# KiCad board austin.kicad_pcb
title: Austin PCB; date: 2023-11-25; rev: v2.3.0; company: Designed By Gondolindrim; note: In partnership with driftingbunnies and PheonixStarr
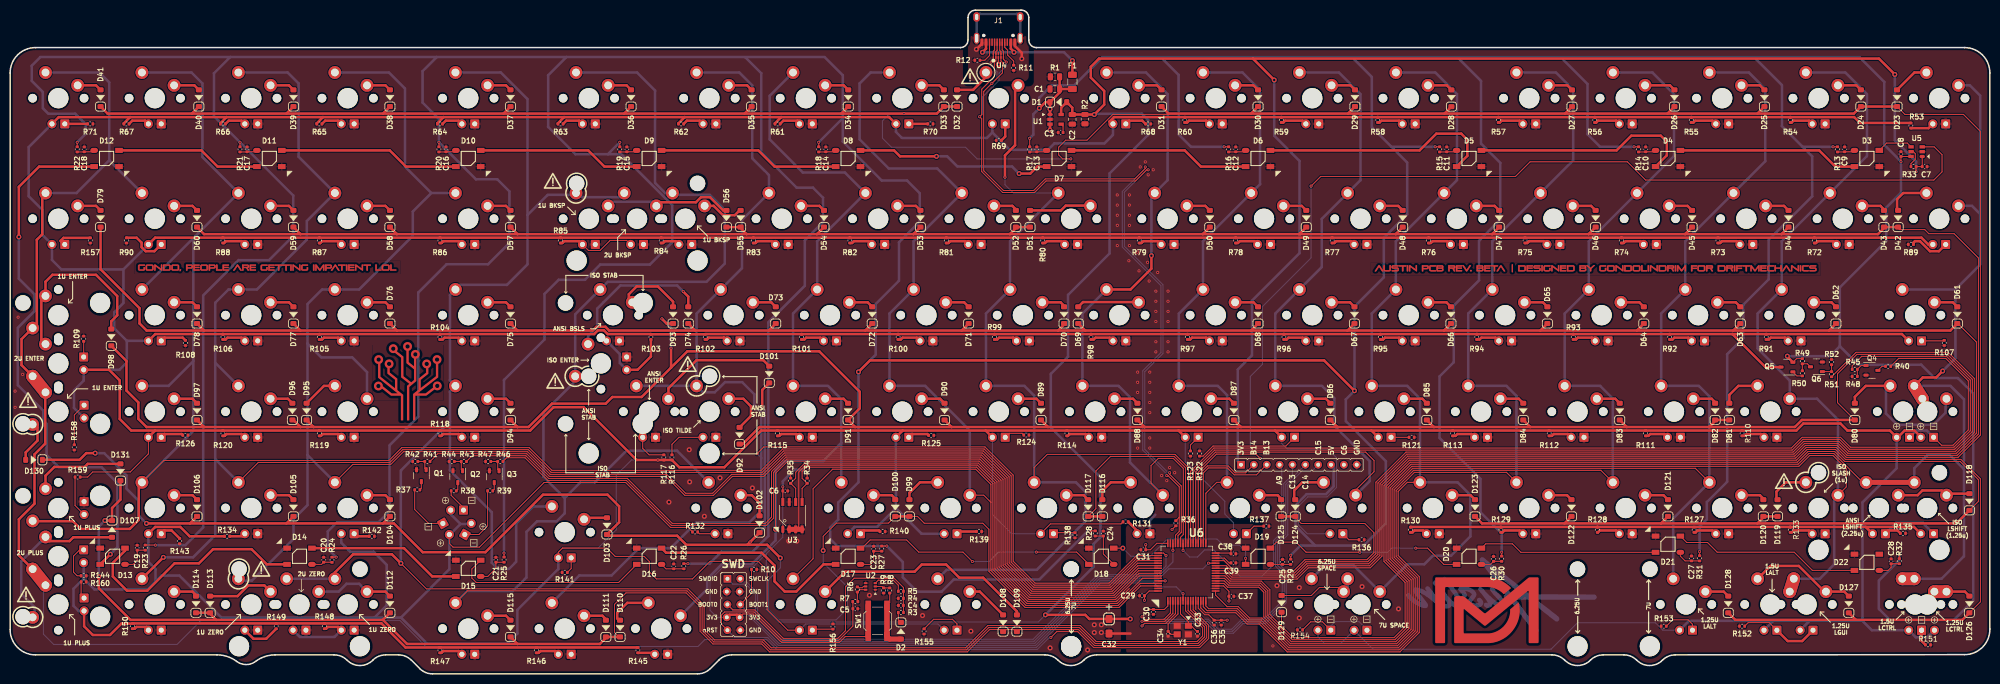
[diagram p0: board, top side]
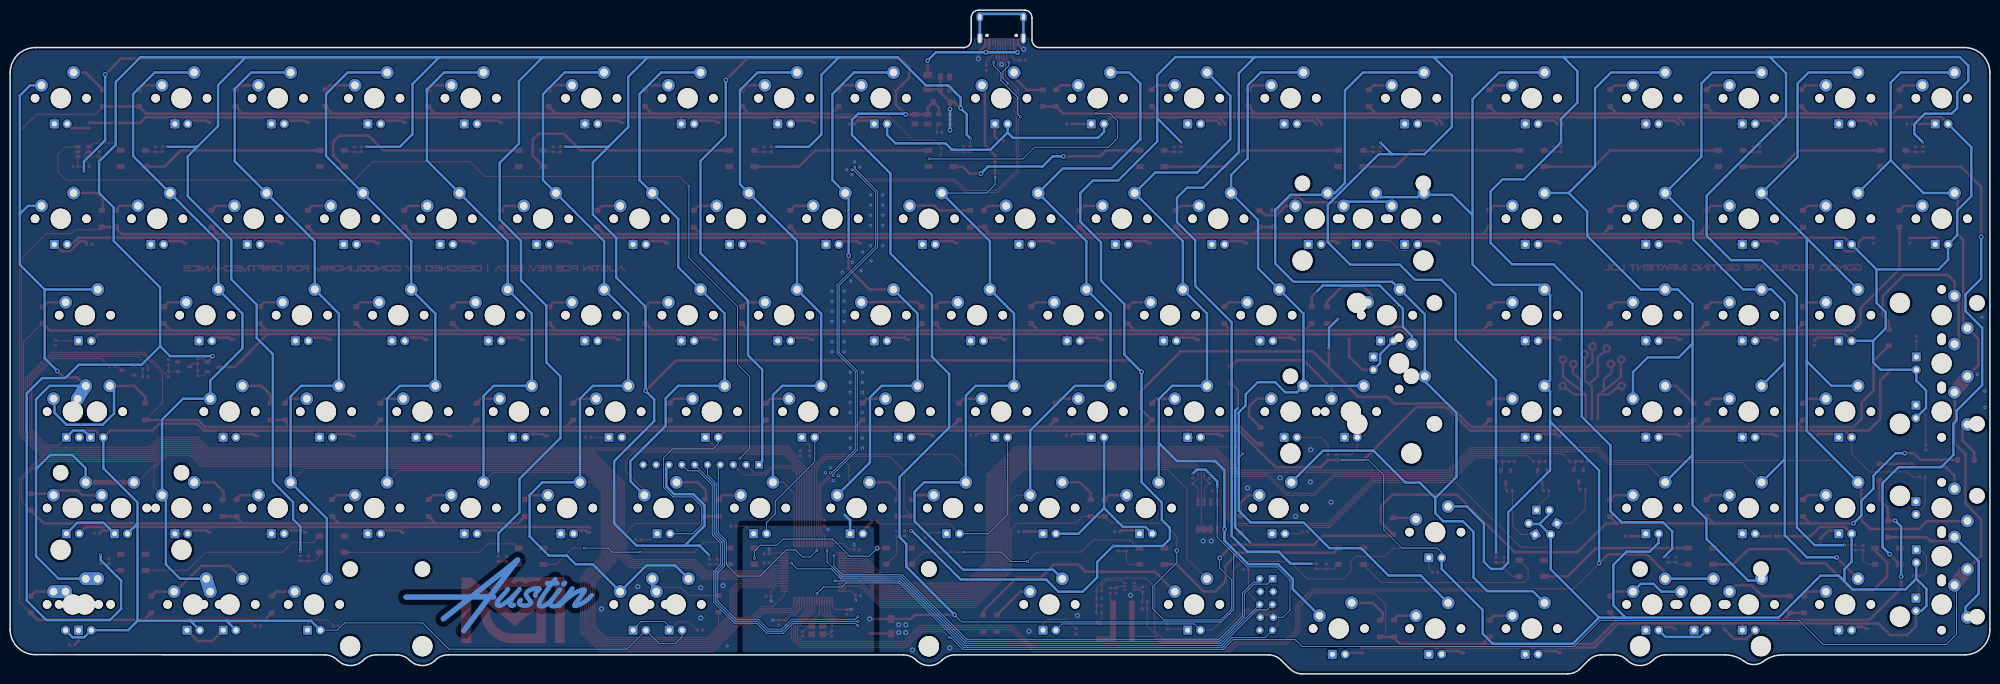
[diagram p1: board, bottom side, seen from below]

Outline 391 x 131.12 mm; copper layers: Top, Bottom. Coordinates in mm from the lower left corner of the outline.
Outline path: 0,118.69 arc(1.48,122.28) 5.08,123.72 187.68,123.72 arc(188.74,124.16) 189.18,125.22 189.18,129.62 arc(189.62,130.68) 190.68,131.12 199.69,131.12 arc(200.75,130.68) 201.19,129.62 201.19,125.22 arc(201.63,124.16) 202.69,123.72 386,123.72 arc(389.54,122.26) 391,118.72 391,8.8 arc(389.54,5.26) 386,3.8 328.88,3.76 arc(327.5,3.48) 326.34,2.7 arc(323.8,1.65) 321.26,2.7 arc(320.09,3.48) 318.72,3.76 314.66,3.76 arc(313.28,3.48) 312.12,2.7 arc(309.58,1.65) 307.04,2.7 arc(305.87,3.48) 304.5,3.76 214.58,3.76 arc(213.2,3.48) 212.04,2.7 arc(209.5,1.65) 206.96,2.7 arc(205.79,3.48) 204.42,3.76 142.49,3.76 arc(141.12,3.48) 139.95,2.7 138.3,1.05 arc(137.14,0.27) 135.76,0 83.44,0 arc(82.06,0.27) 80.9,1.05 79.25,2.7 arc(78.08,3.48) 76.71,3.76 74.17,3.76 arc(72.79,3.48) 71.63,2.7 arc(69.09,1.65) 66.55,2.7 arc(65.38,3.48) 64.01,3.76 52.33,3.76 arc(50.32,3.43) 48.51,2.49 arc(46.61,1.84) 44.7,2.49 arc(42.9,3.43) 40.89,3.76 5,3.75 arc(1.46,5.22) 0,8.75 0,118.69
Stack: Top 0.035mm / dielectric 1.51mm FR4 er 4.5 / Bottom 0.035mm

## Placement (name value [footprint] x y rotation side)
C1  1u  [C_0805_2012Metric]  206.32 115.55 0 top
C2  1u  [C_0805_2012Metric]  209.77 109.55 270 top
C3  10n  [C_0402_1005Metric]  207.47 106.95 0 top
C4  10u  [C_0402_1005Metric]  175.92 13.52 180 top
C5  100n  [C_0402_1005Metric]  166.92 12.87 0 top
C6  100n  [C_0402_1005Metric]  153.08 36.15 180 top
C7  100n  [C_0402_1005Metric]  378.12 100.21 0 top
C8  100n  [C_0402_1005Metric]  373.44 102.69 90 top
C9  100n  [C_0402_1005Metric]  362.31 103.62 270 top
C10  100n  [C_0402_1005Metric]  323.02 103.62 270 top
C11  100n  [C_0402_1005Metric]  283.73 103.62 270 top
C12  100n  [C_0402_1005Metric]  242.06 103.62 270 top
C13  100n  [C_0402_1005Metric]  202.77 103.62 270 top
C14  100n  [C_0402_1005Metric]  161.1 103.62 270 top
C15  100n  [C_0402_1005Metric]  121.81 103.62 270 top
C16  100n  [C_0402_1005Metric]  86.09 103.62 270 top
C17  100n  [C_0402_1005Metric]  46.8 103.62 270 top
C18  100n  [C_0402_1005Metric]  14.65 103.62 270 top
C19  100n  [C_0402_1005Metric]  25.09 24.92 270 top
C20  100n  [C_0402_1005Metric]  61.93 22.54 270 top
C21  100n  [C_0402_1005Metric]  95.94 22.53 270 top
C22  100n  [C_0402_1005Metric]  131.06 21.24 270 top
C23  100n  [C_0402_1005Metric]  170.55 24.72 270 top
C24  100n  [C_0402_1005Metric]  215.91 27.72 270 top
C25  100n  [C_0402_1005Metric]  251.31 22.12 270 top
C26  100n  [C_0402_1005Metric]  292.98 22.72 270 top
C27  100n  [C_0402_1005Metric]  332.07 22.8 270 top
C28  100n  [C_0402_1005Metric]  371.49 22.24 270 top
C29  100n  [C_0402_1005Metric]  223.55 15.44 0 top
C30  100n  [C_0402_1005Metric]  225.8 12.24 270 top
C31  100n  [C_0402_1005Metric]  223.8 24.52 180 top
C32  10u  [CP_EIA-3216-10_Kemet-I_Pad1.58x1.35mm_HandSolder]  217.03 9.41 270 top
C33  15p  [C_0402_1005Metric]  234.5 7.91 270 top
C34  15p  [C_0402_1005Metric]  228.7 7.91 270 top
C35  4.7u  [C_0402_1005Metric]  239.2 10.12 90 top
C36  10n  [C_0402_1005Metric]  237.8 10.12 90 top
C37  100n  [C_0402_1005Metric]  241.2 15.32 180 top
C38  100n  [C_0402_1005Metric]  241.6 23.72 0 top
C39  4.7u  [C_0402_1005Metric]  241.6 21.92 180 top
D1  B5819W-SL  [D_SOD-123]  207.02 112.95 0 top
D2  1N4148W  [D_SOD-123]  175.92 8.52 270 top
D3  XL-5050RGBC-WS2812B  [LED_WS2812B_5.0x5.0mm_P3.2mm]  366.71 101.82 0 top
D4  XL-5050RGBC-WS2812B  [LED_WS2812B_5.0x5.0mm_P3.2mm]  327.42 101.82 0 top
D5  XL-5050RGBC-WS2812B  [LED_WS2812B_5.0x5.0mm_P3.2mm]  288.13 101.82 0 top
D6  XL-5050RGBC-WS2812B  [LED_WS2812B_5.0x5.0mm_P3.2mm]  246.46 101.82 0 top
D7  XL-5050RGBC-WS2812B  [LED_WS2812B_5.0x5.0mm_P3.2mm]  207.17 101.82 0 top
D8  XL-5050RGBC-WS2812B  [LED_WS2812B_5.0x5.0mm_P3.2mm]  165.5 101.82 0 top
D9  XL-5050RGBC-WS2812B  [LED_WS2812B_5.0x5.0mm_P3.2mm]  126.21 101.82 0 top
D10  XL-5050RGBC-WS2812B  [LED_WS2812B_5.0x5.0mm_P3.2mm]  90.49 101.82 0 top
D11  XL-5050RGBC-WS2812B  [LED_WS2812B_5.0x5.0mm_P3.2mm]  51.2 101.82 0 top
D12  XL-5050RGBC-WS2812B  [LED_WS2812B_5.0x5.0mm_P3.2mm]  19.05 101.82 0 top
D13  XL-5050RGBC-WS2812B  [LED_WS2812B_5.0x5.0mm_P3.2mm]  20.24 23.24 180 top
D14  XL-5050RGBC-WS2812B  [LED_WS2812B_5.0x5.0mm_P3.2mm]  57.15 23.24 180 top
D15  XL-5050RGBC-WS2812B  [LED_WS2812B_5.0x5.0mm_P3.2mm]  90.49 20.85 180 top
D16  XL-5050RGBC-WS2812B  [LED_WS2812B_5.0x5.0mm_P3.2mm]  126.21 23.24 180 top
D17  XL-5050RGBC-WS2812B  [LED_WS2812B_5.0x5.0mm_P3.2mm]  165.5 23.24 180 top
D18  XL-5050RGBC-WS2812B  [LED_WS2812B_5.0x5.0mm_P3.2mm]  215.5 23.24 180 top
D19  XL-5050RGBC-WS2812B  [LED_WS2812B_5.0x5.0mm_P3.2mm]  246.46 23.24 180 top
D20  XL-5050RGBC-WS2812B  [LED_WS2812B_5.0x5.0mm_P3.2mm]  288.13 23.24 180 top
D21  XL-5050RGBC-WS2812B  [LED_WS2812B_5.0x5.0mm_P3.2mm]  327.42 25.62 180 top
D22  XL-5050RGBC-WS2812B  [LED_WS2812B_5.0x5.0mm_P3.2mm]  366.71 22.04 180 top
D23  1N4148W  [D_SOD-123]  372.67 113.72 90 top
D24  1N4148W  [D_SOD-123]  365.52 113.72 90 top
D25  1N4148W  [D_SOD-123]  346.47 113.72 90 top
D26  1N4148W  [D_SOD-123]  328.71 113.72 90 top
D27  1N4148W  [D_SOD-123]  308.47 113.71 90 top
D28  1N4148W  [D_SOD-123]  284.65 113.71 90 top
D29  1N4148W  [D_SOD-123]  265.6 113.72 90 top
D30  1N4148W  [D_SOD-123]  246.46 113.72 90 top
D31  1N4148W  [D_SOD-123]  227.41 113.72 90 top
D32  1N4148W  [D_SOD-123]  187.01 113.72 90 top
D33  1N4148W  [D_SOD-123]  184.41 113.72 90 top
D34  1N4148W  [D_SOD-123]  165.52 113.72 90 top
D35  1N4148W  [D_SOD-123]  146.45 113.72 90 top
D36  1N4148W  [D_SOD-123]  122.63 113.72 90 top
D37  1N4148W  [D_SOD-123]  98.82 113.72 90 top
D38  1N4148W  [D_SOD-123]  75.01 113.72 90 top
D39  1N4148W  [D_SOD-123]  55.96 113.72 90 top
D40  1N4148W  [D_SOD-123]  37.27 113.72 90 top
D41  1N4148W  [D_SOD-123]  17.86 113.72 90 top
D42  1N4148W  [D_SOD-123]  372.87 89.91 90 top
D43  1N4148W  [D_SOD-123]  370.07 89.91 90 top
D44  1N4148W  [D_SOD-123]  351.23 89.91 90 top
D45  1N4148W  [D_SOD-123]  332.18 89.91 90 top
D46  1N4148W  [D_SOD-123]  313.13 89.91 90 top
D47  1N4148W  [D_SOD-123]  294.08 89.91 90 top
D48  1N4148W  [D_SOD-123]  275.03 89.91 90 top
D49  1N4148W  [D_SOD-123]  255.98 89.91 90 top
D50  1N4148W  [D_SOD-123]  236.93 89.91 90 top
D51  1N4148W  [D_SOD-123]  201.42 89.91 90 top
D52  1N4148W  [D_SOD-123]  198.62 89.91 90 top
D53  1N4148W  [D_SOD-123]  179.78 89.91 90 top
D54  1N4148W  [D_SOD-123]  160.73 89.91 90 top
D55  1N4148W  [D_SOD-123]  144.27 89.91 90 top
D56  1N4148W  [D_SOD-123]  141.47 89.91 90 top
D57  1N4148W  [D_SOD-123]  98.82 89.91 90 top
D58  1N4148W  [D_SOD-123]  75.01 89.91 90 top
D59  1N4148W  [D_SOD-123]  55.96 89.91 90 top
D60  1N4148W  [D_SOD-123]  36.91 89.91 90 top
D61  1N4148W  [D_SOD-123]  384.57 70.86 90 top
D62  1N4148W  [D_SOD-123]  360.6 70.86 90 top
D63  1N4148W  [D_SOD-123]  341.71 70.86 90 top
D64  1N4148W  [D_SOD-123]  322.66 70.86 90 top
D65  1N4148W  [D_SOD-123]  303.61 70.86 90 top
D66  1N4148W  [D_SOD-123]  284.56 70.86 90 top
D67  1N4148W  [D_SOD-123]  265.51 70.86 90 top
D68  1N4148W  [D_SOD-123]  246.46 70.86 90 top
D69  1N4148W  [D_SOD-123]  210.95 70.86 90 top
D70  1N4148W  [D_SOD-123]  208.15 70.86 90 top
D71  1N4148W  [D_SOD-123]  189.31 70.86 90 top
D72  1N4148W  [D_SOD-123]  170.26 70.86 90 top
D73  1N4148W  [D_SOD-123]  151.21 70.86 90 top
D74  1N4148W  [D_SOD-123]  133.93 70.86 90 top
D75  1N4148W  [D_SOD-123]  98.82 70.86 90 top
D76  1N4148W  [D_SOD-123]  75.01 70.86 90 top
D77  1N4148W  [D_SOD-123]  55.96 70.86 90 top
D78  1N4148W  [D_SOD-123]  36.91 70.86 90 top
D79  1N4148W  [D_SOD-123]  17.86 89.91 90 top
D80  1N4148W  [D_SOD-123]  364.33 51.81 90 top
D81  1N4148W  [D_SOD-123]  339.54 51.81 90 top
D82  1N4148W  [D_SOD-123]  336.74 51.81 90 top
D83  1N4148W  [D_SOD-123]  317.9 51.81 90 top
D84  1N4148W  [D_SOD-123]  298.85 51.81 90 top
D85  1N4148W  [D_SOD-123]  279.8 51.81 90 top
D86  1N4148W  [D_SOD-123]  260.75 51.81 90 top
D87  1N4148W  [D_SOD-123]  241.7 51.81 90 top
D88  1N4148W  [D_SOD-123]  222.65 51.81 90 top
D89  1N4148W  [D_SOD-123]  203.6 51.81 90 top
D90  1N4148W  [D_SOD-123]  184.55 51.81 90 top
D91  1N4148W  [D_SOD-123]  165.5 51.81 90 top
D92  1N4148W  [D_SOD-123]  144.07 47.05 90 top
D93  1N4148W  [D_SOD-123]  130.93 70.86 90 top
D94  1N4148W  [D_SOD-123]  98.82 51.81 90 top
D95  1N4148W  [D_SOD-123]  58.55 51.81 90 top
D96  1N4148W  [D_SOD-123]  55.75 51.81 90 top
D97  1N4148W  [D_SOD-123]  36.91 51.81 90 top
D98  1N4148W  [D_SOD-123]  19.97 66.46 90 top
D99  1N4148W  [D_SOD-123]  177.61 32.76 90 top
D100  1N4148W  [D_SOD-123]  174.81 32.76 90 top
D101  1N4148W  [D_SOD-123]  149.93 59.14 90 top
D102  1N4148W  [D_SOD-123]  148.01 29.56 90 top
D103  1N4148W  [D_SOD-123]  117.87 29.19 90 top
D104  1N4148W  [D_SOD-123]  75.01 32.76 90 top
D105  1N4148W  [D_SOD-123]  55.96 32.76 90 top
D106  1N4148W  [D_SOD-123]  36.91 32.76 90 top
D107  1N4148W  [D_SOD-123]  20.12 28.64 270 top
D108  1N4148W  [D_SOD-123]  196.11 10 90 top
D109  1N4148W  [D_SOD-123]  198.84 10 90 top
D110  1N4148W  [D_SOD-123]  120.46 8.95 90 top
D111  1N4148W  [D_SOD-123]  117.66 8.95 90 top
D112  1N4148W  [D_SOD-123]  75.01 13.71 90 top
D113  1N4148W  [D_SOD-123]  39.5 13.71 90 top
D114  1N4148W  [D_SOD-123]  36.7 13.71 90 top
D115  1N4148W  [D_SOD-123]  98.82 8.95 90 top
D116  1N4148W  [D_SOD-123]  215.71 32.76 90 top
D117  1N4148W  [D_SOD-123]  212.91 32.76 90 top
D118  1N4148W  [D_SOD-123]  386.95 33.95 90 top
D119  1N4148W  [D_SOD-123]  349.06 32.76 90 top
D120  1N4148W  [D_SOD-123]  346.26 32.76 90 top
D121  1N4148W  [D_SOD-123]  327.42 32.76 90 top
D122  1N4148W  [D_SOD-123]  308.37 32.76 90 top
D123  1N4148W  [D_SOD-123]  289.32 32.76 90 top
D124  1N4148W  [D_SOD-123]  253.81 32.76 90 top
D125  1N4148W  [D_SOD-123]  251.01 32.76 90 top
D126  1N4148W  [D_SOD-123]  386.95 13.71 90 top
D127  1N4148W  [D_SOD-123]  363.14 13.71 90 top
D128  1N4148W  [D_SOD-123]  339.33 13.71 90 top
D129  1N4148W  [D_SOD-123]  251.1 13.84 90 top
D130  1N4148W  [D_SOD-123]  4.72 42.29 180 top
D131  1N4148W  [D_SOD-123]  21.79 39.84 90 top
F1  nSMD100-16V  [Fuse_1206_3216Metric]  209.8 116.95 90 top
GR1  Warning sign  [warning_sign_3.6x3.2mm]  107.19 97.4 0 top
GR2  Drift Mechanics Logo  [driftmechanics_logo]  291.31 11.26 0 top
GR3  Warning sign  [warning_sign_3.6x3.2mm]  107.66 57.91 0 top
GR3#2  Warning sign  [warning_sign_3.6x3.2mm]  3.14 15.7 0 top
GR3#3  Warning sign  [warning_sign_3.6x3.2mm]  189.58 118.07 0 top
GR3#4  Warning sign  [warning_sign_3.6x3.2mm]  3.54 54.1 0 top
GR4  Gondolindrim Logo  [gondolindrim_circuit-tree_50x15mm]  78.6 56.97 0 top
GR5  Warning sign  [warning_sign_3.6x3.2mm]  350.33 38.09 0 top
GR6  AustinLogoPlated  [austin_logo_16x40_plated]  294.51 15.52 180 bottom
GR7  Warning sign  [warning_sign_3.6x3.2mm]  133.83 61.21 0 top
GR8  AustinLabel  [austin_label]  309.86 79.93 0 top
GR9  Austin Joke  [austin_joke]  48.52 80.2 0 top
GR10  Warning sign  [Warning_Sign_3.6x3.2mm]  49.6 20.77 0 top
J1  TYPE-C-31-M-12  [USB_C_Receptacle_Hroparts_TYPE-C-31-M-12]  195.18 124.07 180 top
LED1  LED  [LED_THT_2.54mm]  378.62 46.74 0 top
LED2  LED  [LED_THT_2.54mm]  373.86 46.74 0 top
LED3  LED  [LED_THT_2.54mm]  219.07 108.65 0 top
LED4  LED  [LED_THT_2.54mm]  195.26 108.65 0 top
LED5  LED  [LED_THT_2.54mm]  176.21 108.65 0 top
LED6  LED  [LED_THT_2.54mm]  9.52 108.65 0 top
LED7  LED  [LED_THT_2.54mm]  381 108.65 0 top
LED8  LED  [LED_THT_2.54mm]  357.19 108.65 0 top
LED9  LED  [LED_THT_2.54mm]  338.14 108.65 0 top
LED10  LED  [LED_THT_2.54mm]  319.09 108.65 0 top
LED11  LED  [LED_THT_2.54mm]  300.04 108.65 0 top
LED12  LED  [LED_THT_2.54mm]  276.22 108.65 0 top
LED13  LED  [LED_THT_2.54mm]  257.17 108.65 0 top
LED14  LED  [LED_THT_2.54mm]  238.12 108.65 0 top
LED15  LED  [LED_THT_2.54mm]  157.16 108.65 0 top
LED16  LED  [LED_THT_2.54mm]  138.11 108.65 0 top
LED17  LED  [LED_THT_2.54mm]  114.3 108.65 0 top
LED18  LED  [LED_THT_2.54mm]  90.49 108.65 0 top
LED19  LED  [LED_THT_2.54mm]  66.67 108.65 0 top
LED20  LED  [LED_THT_2.54mm]  47.62 108.65 0 top
LED21  LED  [LED_THT_2.54mm]  28.57 108.65 0 top
LED22  LED  [LED_THT_2.54mm]  381 84.84 0 top
LED23  LED  [LED_THT_2.54mm]  28.57 84.84 0 top
LED24  LED  [LED_THT_2.54mm]  361.95 84.84 0 top
LED25  LED  [LED_THT_2.54mm]  342.9 84.84 0 top
LED26  LED  [LED_THT_2.54mm]  323.85 84.84 0 top
LED27  LED  [LED_THT_2.54mm]  304.8 84.84 0 top
LED28  LED  [LED_THT_2.54mm]  285.75 84.84 0 top
LED29  LED  [LED_THT_2.54mm]  266.7 84.84 0 top
LED30  LED  [LED_THT_2.54mm]  247.65 84.84 0 top
LED31  LED  [LED_THT_2.54mm]  228.6 84.84 0 top
LED32  LED  [LED_THT_2.54mm]  209.55 84.84 0 top
LED33  LED  [LED_THT_2.54mm]  190.5 84.84 0 top
LED34  LED  [LED_THT_2.54mm]  171.45 84.84 0 top
LED35  LED  [LED_THT_2.54mm]  152.4 84.84 0 top
LED36  LED  [LED_THT_2.54mm]  133.35 84.84 0 top
LED37  LED  [LED_THT_2.54mm]  114.3 84.84 0 top
LED38  LED  [LED_THT_2.54mm]  123.82 84.84 0 top
LED39  LED  [LED_THT_2.54mm]  90.49 84.84 0 top
LED40  LED  [LED_THT_2.54mm]  66.67 84.84 0 top
LED41  LED  [LED_THT_2.54mm]  47.62 84.84 0 top
LED42  LED  [LED_THT_2.54mm]  376.24 65.79 0 top
LED43  LED  [LED_THT_2.54mm]  28.57 65.79 0 top
LED44  LED  [LED_THT_2.54mm]  14.52 61.34 90 top
LED45  LED  [LED_THT_2.54mm]  352.42 65.79 0 top
LED46  LED  [LED_THT_2.54mm]  333.37 65.79 0 top
LED47  LED  [LED_THT_2.54mm]  314.32 65.79 0 top
LED48  LED  [LED_THT_2.54mm]  295.27 65.79 0 top
LED49  LED  [LED_THT_2.54mm]  276.22 65.79 0 top
LED50  LED  [LED_THT_2.54mm]  257.17 65.79 0 top
LED51  LED  [LED_THT_2.54mm]  238.12 65.79 0 top
LED52  LED  [LED_THT_2.54mm]  219.07 65.79 0 top
LED53  LED  [LED_THT_2.54mm]  200.02 65.79 0 top
LED54  LED  [LED_THT_2.54mm]  180.97 65.79 0 top
LED55  LED  [LED_THT_2.54mm]  161.92 65.79 0 top
LED56  LED  [LED_THT_2.54mm]  142.87 65.79 0 top
LED57  LED  [LED_THT_2.54mm]  119.06 65.79 0 top
LED58  LED  [LED_THT_2.54mm]  121.76 61.34 90 top
LED59  LED  [LED_THT_2.54mm]  90.49 65.79 0 top
LED60  LED  [LED_THT_2.54mm]  66.67 65.79 0 top
LED61  LED  [LED_THT_2.54mm]  47.62 65.79 0 top
LED62  LED  [LED_THT_2.54mm]  271.46 46.74 0 top
LED63  LED  [LED_THT_2.54mm]  252.41 46.74 0 top
LED64  LED  [LED_THT_2.54mm]  233.36 46.74 0 top
LED65  LED  [LED_THT_2.54mm]  195.26 46.74 0 top
LED66  LED  [LED_THT_2.54mm]  176.21 46.74 0 top
LED67  LED  [LED_THT_2.54mm]  28.57 46.74 0 top
LED68  LED  [LED_THT_2.54mm]  347.66 46.74 0 top
LED69  LED  [LED_THT_2.54mm]  328.61 46.74 0 top
LED70  LED  [LED_THT_2.54mm]  309.56 46.74 0 top
LED71  LED  [LED_THT_2.54mm]  290.51 46.74 0 top
LED72  LED  [LED_THT_2.54mm]  214.31 46.74 0 top
LED73  LED  [LED_THT_2.54mm]  157.16 46.74 0 top
LED74  LED  [LED_THT_2.54mm]  138.11 46.73 0 top
LED75  LED  [LED_THT_2.54mm]  126.21 46.74 0 top
LED76  LED  [LED_THT_2.54mm]  90.49 46.74 0 top
LED77  LED  [LED_THT_2.54mm]  66.67 46.74 0 top
LED78  LED  [LED_THT_2.54mm]  47.62 46.74 0 top
LED79  LED  [LED_THT_2.54mm]  378.61 27.69 0 top
LED80  LED  [LED_THT_2.54mm]  369.09 27.69 0 top
LED81  LED  [LED_THT_2.54mm]  261.94 27.69 0 top
LED82  LED  [LED_THT_2.54mm]  242.89 27.69 0 top
LED83  LED  [LED_THT_2.54mm]  204.79 27.69 0 top
LED84  LED  [LED_THT_2.54mm]  185.74 27.69 0 top
LED85  LED  [LED_THT_2.54mm]  166.69 27.69 0 top
LED86  LED  [LED_THT_2.54mm]  109.54 22.92 0 top
LED87  LED  [LED_THT_2.54mm]  66.67 27.69 0 top
LED88  LED  [LED_THT_2.54mm]  28.57 27.69 0 top
LED89  LED  [LED_THT_2.54mm]  14.52 23.24 90 top
LED90  LED  [LED_THT_2.54mm]  338.14 27.69 0 top
LED91  LED  [LED_THT_2.54mm]  319.09 27.69 0 top
LED92  LED  [LED_THT_2.54mm]  300.04 27.69 0 top
LED93  LED  [LED_THT_2.54mm]  280.99 27.69 0 top
LED94  LED  [LED_THT_2.54mm]  223.84 27.69 0 top
LED95  LED  [LED_THT_2.54mm]  140.49 27.69 0 top
LED96  LED  [LED_THT_2.54mm]  357.19 27.68 0 top
LED97  LED  [LED_THT_2.54mm]  47.62 27.69 0 top
LED98  LED  [LED_THT_2.54mm]  376.24 8.62 0 top
LED99  LED  [LED_THT_2.54mm]  378.78 8.62 180 top
LED100  LED  [LED_THT_2.54mm]  347.66 8.62 0 top
LED101  LED  [LED_THT_2.54mm]  354.8 8.62 0 top
LED102  LED  [LED_THT_2.54mm]  330.99 8.64 0 top
LED103  LED  [LED_THT_2.54mm]  259.56 8.64 0 top
LED104  LED  [LED_THT_2.54mm]  266.7 8.62 0 top
LED105  LED  [LED_THT_2.54mm]  185.74 8.64 0 top
LED106  LED  [LED_THT_2.54mm]  157.16 8.64 0 top
LED107  LED  [LED_THT_2.54mm]  9.52 84.84 0 top
LED108  LED  [LED_THT_2.54mm]  128.59 3.87 0 top
LED109  LED  [LED_THT_2.54mm]  109.54 3.87 0 top
LED110  LED  [LED_THT_2.54mm]  90.49 3.87 0 top
LED111  LED  [LED_THT_2.54mm]  57.15 8.64 0 top
LED112  LED  [LED_THT_2.54mm]  66.67 8.64 0 top
LED113  LED  [LED_THT_2.54mm]  47.62 8.64 0 top
LED114  LED  [LED_THT_2.54mm]  28.57 8.64 0 top
LED115  LED  [LED_THT_2.54mm]  14.6 51.81 90 top
LED116  LED  [LED_THT_2.54mm]  14.6 32.76 90 top
LED117  LED  [LED_THT_2.54mm]  14.6 13.71 90 top
LEDCAPS1  LED  [LED_THT_2.54mm]  88.27 32.35 0 top
LEDNUM1  LED  [LED_THT_2.54mm]  86.11 28.63 120 top
LEDSCR1  LED  [LED_THT_2.54mm]  90.44 28.63 240 top
Q1  2N7002  [SOT-23]  81.21 39.16 270 top
Q2  2N7002  [SOT-23]  88.41 38.96 270 top
Q3  2N7002  [SOT-23]  95.61 38.96 270 top
Q4  2N7002  [SOT-23]  367.71 59.96 0 top
Q5  AO3401A  [SOT-23]  350.92 60.61 180 top
Q6  2N7002  [SOT-23]  356.74 60.66 180 top
R1  100k  [R_0805_2012Metric]  206.36 117.95 0 top
R2  100k  [R_0805_2012Metric]  212.27 109.59 270 top
R3  330k  [R_0402_1005Metric]  175.92 12.12 180 top
R4  1M  [R_0402_1005Metric]  175.92 14.92 180 top
R5  10k  [R_0402_1005Metric]  175.92 16.32 0 top
R6  100R  [R_0402_1005Metric]  167.32 16.67 270 top
R7  100R  [R_0402_1005Metric]  166.92 14.27 180 top
R8  100R  [R_0402_1005Metric]  173.72 16.47 270 top
R9  10k  [R_0402_1005Metric]  172.52 16.47 90 top
R10  10k  [R_0402_1005Metric]  146.94 20.64 0 top
R11  5.1k  [R_0402_1005Metric]  198.2 119.72 90 top
R12  5.1k  [R_0402_1005Metric]  191.03 121.22 0 top
R13  5.1R  [R_0402_1005Metric]  360.91 103.62 90 top
R14  5.1R  [R_0402_1005Metric]  321.62 103.62 90 top
R15  5.1R  [R_0402_1005Metric]  282.33 103.62 90 top
R16  5.1R  [R_0402_1005Metric]  240.66 103.62 90 top
R17  5.1R  [R_0402_1005Metric]  201.37 103.62 90 top
R18  5.1R  [R_0402_1005Metric]  159.7 103.62 90 top
R19  5.1R  [R_0402_1005Metric]  120.41 103.62 90 top
R20  5.1R  [R_0402_1005Metric]  84.69 103.62 90 top
R21  5.1R  [R_0402_1005Metric]  45.4 103.62 90 top
R22  5.1R  [R_0402_1005Metric]  13.25 103.62 90 top
R23  5.1R  [R_0402_1005Metric]  26.69 24.95 90 top
R24  5.1R  [R_0402_1005Metric]  63.57 22.54 90 top
R25  5.1R  [R_0402_1005Metric]  97.55 22.56 90 top
R26  5.1R  [R_0402_1005Metric]  133.06 21.27 90 top
R27  5.1R  [R_0402_1005Metric]  172.15 24.75 90 top
R28  5.1R  [R_0402_1005Metric]  214.31 27.75 90 top
R29  5.1R  [R_0402_1005Metric]  252.91 22.15 90 top
R30  5.1R  [R_0402_1005Metric]  294.58 22.75 90 top
R31  5.1R  [R_0402_1005Metric]  333.67 22.83 90 top
R32  5.1R  [R_0402_1005Metric]  373.11 22.27 90 top
R33  10k  [R_0402_1005Metric]  375.92 100.21 0 top
R34  4.7k  [R_0402_1005Metric]  157.41 38.16 270 top
R35  4.7k  [R_0402_1005Metric]  154.14 38.16 270 top
R36  1.5k  [R_0402_1005Metric]  230.24 29.75 270 top
R37  1k  [R_0402_1005Metric]  80.41 36.36 0 top
R38  1k  [R_0402_1005Metric]  87.61 36.16 180 top
R39  1k  [R_0402_1005Metric]  94.81 36.16 180 top
R40  1k  [R_0402_1005Metric]  370.91 60.76 0 top
R41  100  [R_0402_1005Metric]  82.41 41.96 180 top
R42  10k  [R_0402_1005Metric]  80.01 41.96 0 top
R43  100  [R_0402_1005Metric]  89.61 41.96 180 top
R44  10k  [R_0402_1005Metric]  87.21 41.96 0 top
R45  100  [R_0402_1005Metric]  364.31 60.16 0 top
R46  100  [R_0402_1005Metric]  96.81 41.96 180 top
R47  10k  [R_0402_1005Metric]  94.41 41.96 0 top
R48  10k  [R_0402_1005Metric]  364.31 58.76 0 top
R49  10k  [R_0402_1005Metric]  353.96 61.77 90 top
R50  100  [R_0402_1005Metric]  353.96 59.37 270 top
R51  100  [R_0402_1005Metric]  359.74 59.2 90 top
R52  10k  [R_0402_1005Metric]  359.74 61.6 270 top
R53  1k  [R_0402_1005Metric]  375.4 108.32 270 top
R54  1k  [R_0402_1005Metric]  351.59 109.44 270 top
R55  1k  [R_0402_1005Metric]  332.03 109.44 270 top
R56  1k  [R_0402_1005Metric]  312.98 109.44 270 top
R57  1k  [R_0402_1005Metric]  293.93 109.44 270 top
R58  1k  [R_0402_1005Metric]  270.11 109.44 270 top
R59  1k  [R_0402_1005Metric]  251.06 109.44 270 top
R60  1k  [R_0402_1005Metric]  232.01 109.44 270 top
R61  1k  [R_0402_1005Metric]  151.56 108.64 0 top
R62  1k  [R_0402_1005Metric]  132.51 108.64 0 top
R63  1k  [R_0402_1005Metric]  108.7 108.64 0 top
R64  1k  [R_0402_1005Metric]  84.89 108.64 0 top
R65  1k  [R_0402_1005Metric]  61.07 108.64 0 top
R66  1k  [R_0402_1005Metric]  42.02 108.64 0 top
R67  1k  [R_0402_1005Metric]  22.97 108.64 0 top
R68  1k  [R_0402_1005Metric]  224.76 108.64 0 top
R69  1k  [R_0402_1005Metric]  195.26 105.39 180 top
R70  1k  [R_0402_1005Metric]  181.76 108.65 0 top
R71  1k  [R_0402_1005Metric]  15.83 108.65 0 top
R72  1k  [R_0402_1005Metric]  356.35 85.62 90 top
R73  1k  [R_0402_1005Metric]  337.3 85.62 90 top
R74  1k  [R_0402_1005Metric]  318.25 85.62 90 top
R75  1k  [R_0402_1005Metric]  299.2 85.62 90 top
R76  1k  [R_0402_1005Metric]  280.15 85.62 90 top
R77  1k  [R_0402_1005Metric]  261.1 85.62 90 top
R78  1k  [R_0402_1005Metric]  242.05 85.62 90 top
R79  1k  [R_0402_1005Metric]  223 85.62 90 top
R80  1k  [R_0402_1005Metric]  203.95 85.62 90 top
R81  1k  [R_0402_1005Metric]  184.9 85.62 90 top
R82  1k  [R_0402_1005Metric]  165.85 85.62 90 top
R83  1k  [R_0402_1005Metric]  146.8 85.62 90 top
R84  1k  [R_0402_1005Metric]  128.59 85.62 270 top
R85  1k  [R_0402_1005Metric]  108.7 85.62 270 top
R86  1k  [R_0402_1005Metric]  84.89 85.62 270 top
R87  1k  [R_0402_1005Metric]  61.07 85.62 270 top
R88  1k  [R_0402_1005Metric]  42.02 85.62 270 top
R89  1k  [R_0402_1005Metric]  375.4 84.83 180 top
R90  1k  [R_0402_1005Metric]  22.97 85.62 270 top
R91  1k  [R_0402_1005Metric]  346.82 66.57 270 top
R92  1k  [R_0402_1005Metric]  327.77 66.57 270 top
R93  1k  [R_0402_1005Metric]  308.72 66.57 270 top
R94  1k  [R_0402_1005Metric]  289.67 66.57 270 top
R95  1k  [R_0402_1005Metric]  270.62 66.57 270 top
R96  1k  [R_0402_1005Metric]  251.57 66.57 270 top